# Altium PCB SPG300 Rev05.PcbDoc (part 4 of 8) (continued)
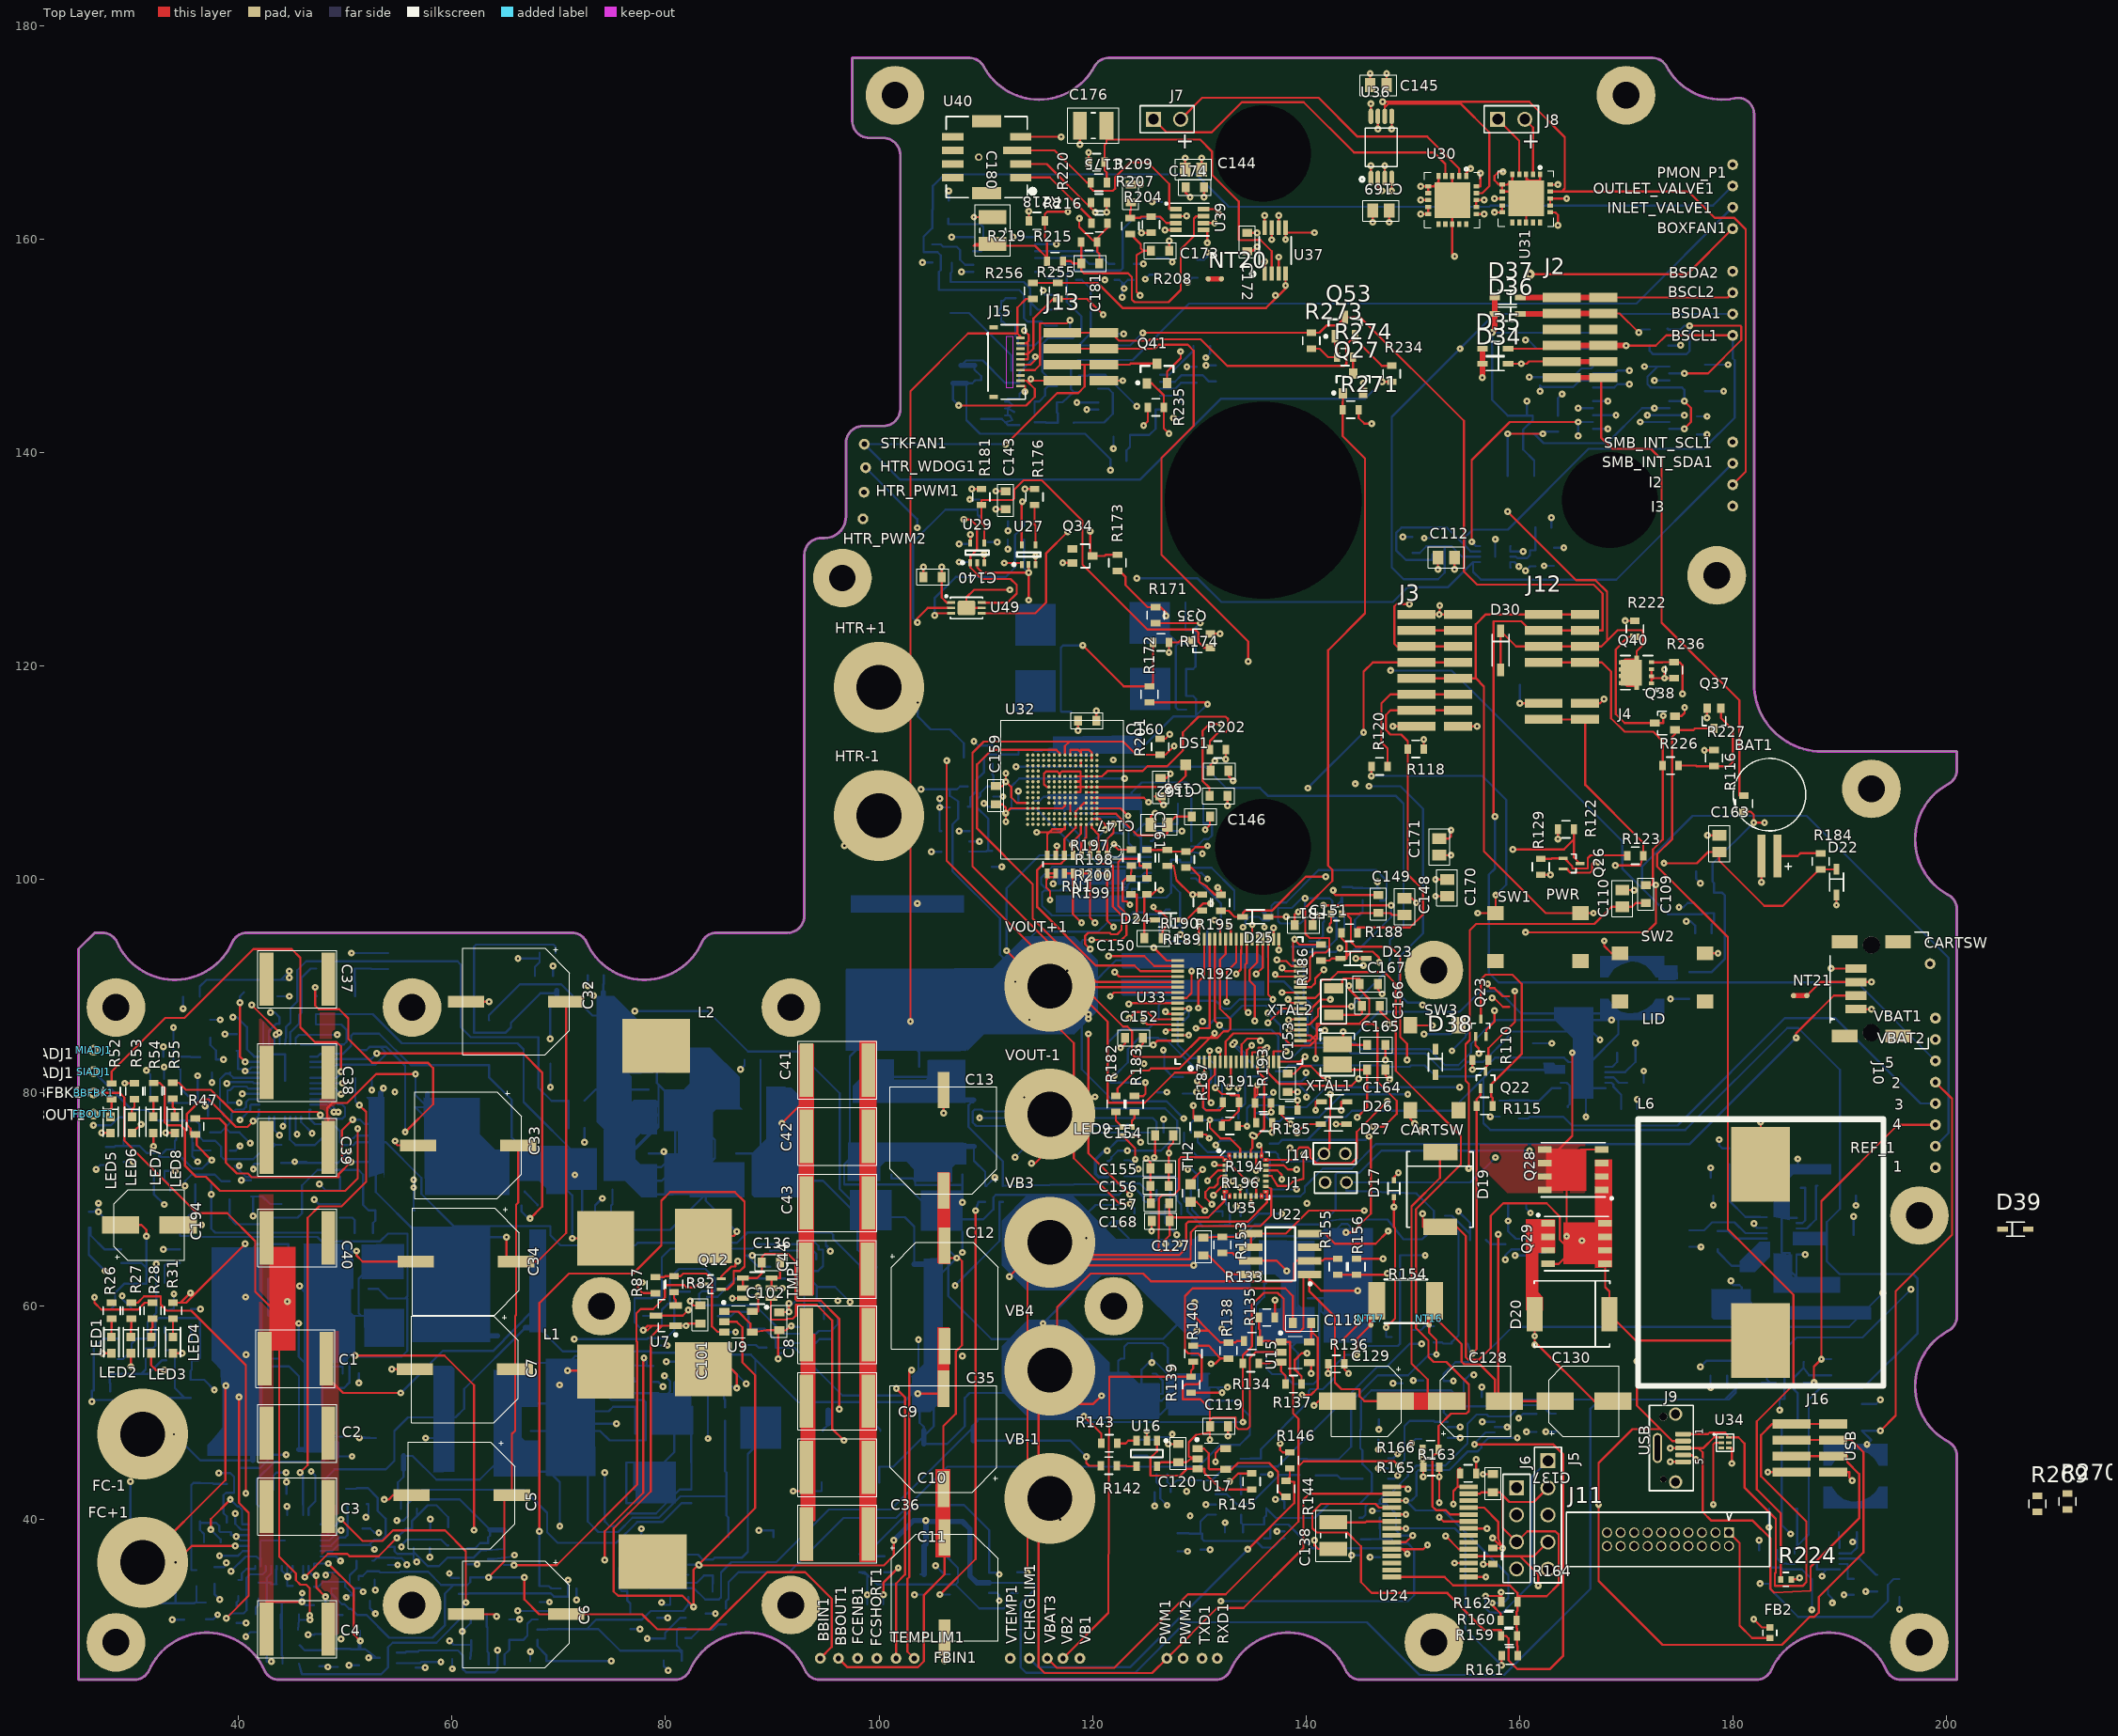
[diagram p0: Top Layer view]
## Nets (pads, with @x,y where several pads share a name; then routed paths per layer and width w, separated by ;. In a path a pad name is that pad's centre, name@x,y a point inside that pad or via, vN(x,y) a via of type N, cw(c..) or ccw(c..) an arc to the next point about the centre after c; other vN are vias at no path point) (continued)
  Layer 1 w0.203: v1(151.857,86.325) v1(160.579,95.047) ; v1(172.802,99.492) 175.971,99.492 183.159,92.304 190.729,92.304 190.932,92.1 CARTSW.1@198.5,92.1
CBSCL: R160.1 TMP1.1 U23.10 U24.17 | length 120.2
  Top Layer w0.203: TMP1.1@89.951,60.75 89.865,60.75 89.865,58.75 91.338,58.75 91.415,58.826 91.923,58.826 92.227,59.131 92.227,60.132 94.155,60.132 95.606,58.681 95.606,48.539 v1(96.723,47.422) ; U24.17@148.051,41.781 149.375,41.781 v1(149.377,41.783) ; v1(157.48,32.182) 157.48,31.962 158.251,31.191 R160.1@158.251,30.551
  Layer 1 w0.203: v1(96.723,47.422) 98.298,48.997 132.207,48.997 132.994,49.784 139.741,49.784 139.868,49.656 154.687,49.656 156.667,47.676 v1(159.817,47.676)
  Bottom Layer w0.203: v1(157.48,32.182) 158.496,32.182 158.979,32.664 158.979,34.791 152.903,40.867 150.294,40.867 v1(149.377,41.783) 149.911,41.783 150.37,42.242 150.37,44.452 150.571,44.653 153.444,44.653 155.193,46.402 156.105,46.402 156.439,46.736 156.439,46.989 157.124,47.675 U23.10@157.7,47.675 v1(159.817,47.676) v1(159.817,47.676)
CBSDA: R159.1 TMP1.6 U23.9 U24.18 | length 162.4
  Top Layer w0.203: v1(86.258,60.75) TMP1.6@87.251,60.75 ; U24.18@148.051,41.131 146.863,41.131 146.515,41.478 141.427,41.478 140.614,40.665 140.614,39.192 141.021,38.786 143.866,38.786 145.161,37.49 145.161,34.138 146.177,33.122 153.264,33.122 156.743,29.642 158.301,29.642 R159.1@158.301,29.101 158.758,29.101 159.004,28.854 159.004,26.822 159.842,25.984 162.865,25.984 164.098,27.218 164.098,46.138 163.195,47.041 v1(155.804,47.041)
  Layer 1 w0.203: v1(86.258,60.75) 89.059,63.551 97.18,63.551 100.914,67.285 122.707,67.285 123.576,68.153 128.317,68.153 128.951,67.519 137.979,67.519 v1(140.106,69.647)
  Layer 2 w0.203: v1(140.106,69.647) 143.343,69.647 150.195,62.794 150.195,55.347 155.804,49.738 v1(155.804,47.041)
  Bottom Layer w0.203: v1(155.804,47.041) 155.804,47.142 156.836,48.175 U23.9@157.7,48.175
CHRGEN: J2.6 R116.1 | length 51
  Top Layer w0.203: J2.6@167.665,147.05 167.665,141.427 168.732,140.36 172.314,140.36 173.33,139.344 173.33,124.079 180.619,116.789 180.619,107.855 R116.1@181.051,107.855
  Top Layer w0.5: J2.6@163.977,147.05 167.665,147.05 J2.6@167.877,147.05
D0_STKFAN_ENB: Q27.1 R271.1 U33.28 | length 62.8
  Top Layer w0.203: U33.28@139.477,90.4 140.159,90.4 140.386,90.627 140.386,92.659 140.868,93.142 141.859,93.142 142.189,93.472 142.189,94.513 140.36,94.513 139.954,94.92 139.954,97.338 142.489,99.873 142.489,100.888 142.077,101.3 142.077,121.478 145.542,124.943 145.542,139.47 143.45,141.562 R271.1@143.45,144.025 143.45,144.755 143.475,144.78 Q27.1@143.475,145.55
DGND: BAT1.MINUS C65.2 C67.2 C68.2 C70.2 C71.2 C72.2 C73.2 C74.2 C75.2 C78.2 C79.2 C80.2 C81.2 C82.2 C83.2 C84.2 C85.2 C86.2 C110.2 C111.2 C112.2 C116.2 C117.2 C118.2 C119.2 C120.2 C121.2 C122.2 C123.2 C124.2 C125.2 C126.2 C129.2 C131.2 C132.2 C133.2 C134.2 C135.2 C136.2 C137.2 C138.2 C139.2 C140.2 C141.2 C142.2 C143.2 C144.2 C145.2 C146.2 C147.2 C148.2 C149.2 C150.2 C151.2 C152.2 C153.2 C154.2 C155.2 C156.2 C157.2 C158.2 C159.2 C160.2 C161.2 C162.2 C163.2 C164.2 C165.2 C166.2 C167.2 C168.2 C169.2 C170.2 C171.2 C172.2 C173.2 C174.2 C175.2 C176.2 C177.2 C178.2 C179.2 C180.2 C182.2 C183.2 C184.2 C185.2 C186.2 C187.2 C188.2 C189.2 C191.2 C193.2 D23.A D24.A D25.A D26.A D27.A D34.A D35.A D38.A D39.A J3.8 J5.3 J6.1 J9.4 J9.5 J9.6 J9.7 J10.3 J11.3 J11.5 J11.15 J11.17 J11.19 J13.4 J15.2 J15.5 J16.4 LED9.CL LED9.CS NT20.2 NT21.1 Q11.2 Q21.2 Q23.2 Q25.2 Q26.2 Q27.2 Q34.2 Q35.2 Q37.2 Q38.2 Q40.S1 Q40.S2 Q40.S3 Q41.2 Q46.2 R60.1 R63.1 R64.1 R65.1 R66.1 R69.1 R70.1 R71.1 R77.1 R78.1 R114.1 R121.1 R129.1 R132.1 R137.1 R138.1 R140.1 R145.1 R146.1 R147.1 R148.1 R155.1 R156.1 R158.1 R163.1 R164.1 R165.1 R166.1 R175.1 R176.1 R177.1 R178.1 R180.1 R181.1 R185.1 R199.1 R200.1 R208.2 R209.1 R210.2 R211.2 R212.2 R218.1 R220.1 R227.1 R228.2 R229.2 R230.2 R235.2 R236.1 R245.2 R246.2 R247.2 R252.2 R254.1 R262.1 R271.2 R272.1 TH2.1 TMP1.2 TMP1.3 U3.1 U3.8 U3.9 U3.25 U4.5 U4.11 U5.5 U5.11 U13.1 U13.5 U13.7 U13.8 U13.10 U14.1 U14.2 U14.11 U15.5 U16.2 U17.5 U18.2 U19.2 U20.2 U21.2 U22.4 U23.1 U23.3 U24.3 U24.8 U24.19 U25.2 U26.5 U27.3 U29.3 U30.1 U30.3 U30.5 U30.6 U30.7 U30.9 U30.10 U30.13 U30.16 U30.17 U30.18 U30.21 U31.1 U31.3 U31.5 U31.6 U31.7 U31.9 U31.10 U31.13 U31.17 U31.18 U31.21 U32.C4 U32.D3 U32.D12 U32.D13 U32.D14 U32.E1 U32.E2 U32.E7 U32.F6 U32.G5 U32.H6 U32.H10 U32.J5 U32.J9 U32.K8 U32.N2 U32.N5 U32.P2 U32.P4 U32.P6 U33.12 U33.18 U33.31 U33.47 U33.63 U34.4 U35.6 U36.2 U36.3 U36.4 U36.7 U37.3 U37.7 U38.8 U39.4 U41.8 U42.2 U43.5 U44.9 U45.2 U47.5 U49.5 U49.7 VR1.2 VR2.3 | length 541.4
  Top Layer w0.203: C136.2@90.725,64.101 90.725,62.65 TMP1.3@89.951,62.65 89.941,62.65 89.941,61.7 TMP1.2@89.951,61.7 v1(90.953,61.7) ; C140.2@104.175,128.351 v1(104.175,129.278) ; v1(108.697,136.6) R181.1@109.599,136.6 ; v1(108.898,162.076) C180.2@110.65,162.076 ; U49.5@109.625,125.45 U49.7@108.2,125.45 108.2,126.437 108.915,127.152 v1(112.268,127.152) ; U29.3@109.86,129.699 v1(109.86,130.476) ; v1(110.948,136.4) C143.2@111.875,136.4 ; C159.2@110.96,107.04 111.557,107.04 111.887,106.709 v1(111.887,106.223) ; v1(111.887,105.414) v1(111.887,106.223) ; J15.5@113.25,148.75 113.97,148.75 113.97,150.25 113.792,150.25 ; J15.2@113.25,150.25 113.792,150.25 ; v1(113.609,151.446) 114.015,151.04 114.015,150.473 113.792,150.25 ; v1(113.672,136.6) R176.1@114.574,136.6 ; R218.1@114.044,161.724 v1(114.044,162.626) ; v1(114.222,146.914) 114.222,146.75 J13.4@117.175,146.75 ; U27.3@114.671,129.524 v1(114.671,130.301) ; U32.H10@115.924,108.665 115.718,108.665 115.468,108.915 115.468,109.931 115.672,110.134 116.721,110.134 116.924,109.931 ; U32.K8@116.924,109.665 116.924,109.931 ; v1(117.222,129.675) Q34.2@118.124,129.675 ; U32.E7@117.424,107.165 117.424,106.883 117.206,106.665 U32.D12@114.924,106.665 U32.D13@114.424,106.665 U32.D14@113.924,106.665 112.329,106.665 v1(111.887,106.223) ; U32.P6@117.924,111.665 117.924,112.141 118.669,112.141 118.924,111.885 ; U32.G5@118.424,108.165 118.438,108.179 118.897,108.179 118.897,109.165 U32.J5@118.424,109.165 118.454,109.195 118.897,109.195 118.897,110.134 117.128,110.134 116.924,109.931 ; v1(118.825,168.898) C176.2@118.825,170.65 ; U32.P4@118.924,111.665 118.924,111.885 ; R209.1@119.649,167.229 v1(119.649,168.131) ; U32.E2@119.924,107.165 U32.E1@120.424,107.165 ; U32.N2@119.924,111.165 U32.P2@119.924,111.665 119.924,111.901 119.685,112.141 118.924,112.141 118.924,111.885 ; C160.2@120.36,114.884 v1(120.36,115.811) ; J13.4@121.075,146.75 v1(122.852,146.75) ; v1(121.352,162.542) R220.1@121.352,163.444 ; v1(122.026,103.32) 122.026,103.226 122.451,102.8 R200.1@123.654,102.8 ; v1(122.644,84.222) 123.05,84.628 C152.2@123.05,85.149 ; LED9.CL@122.8,76.001 124.003,74.798 v1(124.003,73.76) ; C175.2@123.603,165.15 v1(124.53,165.15) ; LED9.CS@123.7,76.001 124.109,76.001 124.52,75.59 v1(124.52,75.386) ; v1(124.598,160.616) R208.2@125.5,160.616 ; v1(124.794,142.535) 125.201,142.941 R235.2@125.201,144.25 ; C150.2@124.875,94.5 124.875,95.91 ; v1(125.041,73.853) 125.447,73.446 C155.2@125.447,72.925 125.447,70.673 125.495,70.625 C157.2@125.495,69.748 ; U16.2@125.1,47.401 v1(125.1,48.303) ; C156.2@125.447,71.275 125.447,69.748 C157.2@125.495,69.748 ; C147.2@125.476,105.123 125.476,105.92 125.781,106.225 v1(125.882,106.225) ; C157.2@125.495,69.645 C157.2@125.495,69.748 ; v1(125.55,67.057) C168.2@125.55,67.984 ; v1(125.781,73.942) 125.873,74.034 C154.2@125.873,76.001 ; D24.A@125.851,96.2 125.165,96.2 124.875,95.91 ; C161.2@126.386,107.8 125.865,107.8 v1(126.678,106.987) ; v1(126.408,99.006) 126.002,99.006 125.595,98.599 R199.1@125.1,98.599 124.875,98.599 124.875,95.91 ; v1(126.813,160.874) U39.4@127.815,160.874 ; Q41.2@127,146.55 127,147.605 128.27,148.875 v1(128.27,149.483) ; v1(127.123,47.075) C120.2@128.05,47.075 ; C173.2@127.201,158.925 v1(127.201,159.852) ; U33.63@127.977,85.4 v1(129.029,85.4) ; C144.2@128.691,166.524 v1(128.691,167.626) ; C174.2@128.75,164.878 128.75,164.357 v1(129.157,163.951) ; TH2.1@129.2,69.775 129.746,69.775 v1(130.559,68.962) ; R140.1@129.451,56.3 130.912,56.3 131.974,55.1 ; v1(129.917,87.949) 129.917,90.41 130.477,90.97 U33.47@130.477,94.4 ; v1(130.572,104.655) 131.016,105.098 C146.2@131.016,105.901 ; C162.2@130.965,107.841 130.965,108.603 130.336,109.233 130.336,113.944 130.965,114.574 v1(132.08,114.574) ; Q35.2@131.05,123.025 v1(131.952,123.025) ; C158.2@131.066,110.189 131.066,110.744 131.439,111.116 v1(131.473,111.116) ; v1(131.121,54.61) 131.484,54.61 131.974,55.1 ; v1(131.341,70.412) 132.154,71.225 U35.6@132.449,71.225 ; v1(131.535,45.431) 131.535,46.243 131.942,46.65 U17.5@132.487,46.65 ; v1(132.711,47.823) C119.2@132.711,48.75 ; R138.1@132.749,55.1 131.974,55.1 ; v1(132.842,43.58) 132.897,43.58 133.647,44.33 R145.1@134.927,44.33 ; C172.2@134.501,158.901 135.022,158.901 v1(135.428,159.308) ; v1(134.997,76.042) 135.477,76.042 136.107,76.672 136.107,81.383 135.477,82.013 U33.12@135.477,82.9 ; D25.A@136.473,96.5 138.131,96.5 v1(138.151,96.52) ; v1(136.8,159.971) U37.7@136.8,161.098 ; v1(137.292,92.46) 137.292,92.349 138.176,92.349 138.625,91.9 U33.31@139.477,91.9 ; U37.3@137.45,156.798 v1(137.45,158.332) ; v1(137.598,47.113) 137.598,46.533 137.831,46.3 R146.1@138.5,46.3 ; C153.2@138.301,80.089 v1(139.228,80.089) ; R185.1@139.224,78.399 v1(139.224,79.301) ; U33.18@139.477,85.4 140.456,85.4 140.919,84.938 v1(140.919,83.21) ; R137.1@139.6,52.699 139.6,53.437 138.97,54.067 138.97,54.968 139.6,55.597 v1(140.12,55.597) ; v1(139.64,51.703) 140.49,51.703 141.12,52.333 141.12,57.044 140.49,57.674 ; U15.5@140.314,56.65 140.513,56.65 140.513,57.353 140.49,57.376 140.49,57.674 ; U22.4@140.35,66.804 141.791,66.804 142.728,65.867 146.543,65.867 v1(147.708,67.033) ; C118.2@140.49,58.436 140.49,57.674 ; C151.2@140.65,95.72 140.65,96.241 v1(141.056,96.648) ; v1(140.777,50.693) 141.183,51.099 C129.2@142.979,51.099 ; v1(140.822,38.064) 140.822,37.592 141.163,37.251 C138.2@142.574,37.251 ; v1(142.556,98.97) 142.556,98.755 142.762,98.55 C149.2@146.8,98.55 ; v1(142.848,77.072) D27.A@143.8,77.072 ; R155.1@143.001,62.95 143.866,62.95 R156.1@144.75,62.95 147.504,62.95 v1(147.648,63.094) ; v1(143.329,78.361) 143.329,79.174 D26.A@143.875,79.174 ; v1(144.697,92.6) D23.A@145.649,92.6 ; R271.2@144.95,144.025 144.95,143.258 145.491,142.717 v1(146.169,142.717) ; Q27.2@145.375,145.6 v1(145.375,146.537) ; C167.2@146.75,90.201 146.75,89.68 v1(147.156,89.274) ; U36.2@146.749,165.725 146.749,164.954 v1(147.156,164.548) ; v1(146.749,170.348) U36.7@146.749,171.525 ; C166.2@146.95,88.151 146.95,87.63 147.763,86.817 v1(147.763,86.411) ; U36.3@147.4,165.725 v1(147.4,166.902) ; C164.2@147.45,82.19 147.45,81.669 v1(147.856,81.263) ; v1(147.449,83.072) C165.2@147.449,84.5 ; C145.2@147.574,174.45 v1(147.574,175.552) ; v1(147.825,161.597) C169.2@147.825,162.699 ; v1(148.049,164.548) U36.4@148.049,165.725 ; U24.19@148.051,40.48 v1(149.378,40.48) ; v1(148.148,114.35) J3.8@150.375,114.35 ; C148.2@149.239,98.225 149.935,98.225 v1(150.341,97.818) ; v1(150.75,162.375) U30.10@151.46,162.375 ; v1(150.75,164.975) U30.6@151.46,164.975 ; v1(150.94,45.692) R166.1@150.94,46.594 ; v1(151,44.014) R165.1@151,44.916 ; U30.10@151.477,162.375 U30.10@151.46,162.375 ; U30.9@151.477,163.025 151.46,163.025 U30.10@151.46,162.375 ; U30.7@151.477,164.325 151.46,164.325 U30.6@151.46,164.975 ; v1(152.148,98.436) C170.2@153.25,98.436 ; v1(152.38,129.073) C112.2@152.38,130.175 ; U30.5@152.427,165.925 152.427,165.405 151.998,164.975 U30.6@151.477,164.975 U30.6@151.46,164.975 ; C171.2@152.5,103.822 153.385,103.822 153.602,104.038 v1(153.602,104.635) ; U30.3@153.727,165.925 U30.21@153.727,163.675 U30.13@153.727,161.425 153.727,158.616 v1(153.949,158.394) ; v1(153.924,35.931) U24.3@155.251,35.931 ; J3.8@154.275,114.35 v1(156.052,114.35) ; U30.1@155.027,165.925 155.027,166.218 155.434,166.624 v1(155.448,166.624) ; U24.8@155.251,39.181 v1(156.985,39.181) ; R163.1@155.956,44.33 v1(155.956,45.639) ; U30.16@155.977,162.375 v1(156.704,162.375) ; U30.17@155.977,163.025 155.956,163.025 155.956,163.675 U30.18@155.977,163.675 v1(156.704,163.675) ; D35.A@156.549,149.75 D35.A@156.552,149.75 ; v1(156.604,44.259) C137.2@157.531,44.259 ; v1(156.629,35.831) R164.1@157.531,35.831 ; Q23.2@156.9,85.299 156.9,85.91 157.67,86.68 v1(157.67,87.715) ; v1(157.673,162.527) U31.10@158.394,162.527 ; U31.10@158.4,162.527 U31.10@158.394,162.527 ; U31.9@158.4,163.177 158.394,163.177 U31.10@158.394,162.527 ; v1(158.485,166.346) 158.09,166.346 157.673,165.93 157.673,165.544 158.09,165.127 U31.6@158.394,165.127 ; U31.5@159.35,166.077 159.35,165.575 158.902,165.127 U31.6@158.4,165.127 U31.6@158.394,165.127 ; U31.13@160.65,161.577 U31.21@160.65,163.827 U31.21@160.65,164.998 ; U31.3@160.65,166.077 160.65,165.766 ; U31.1@161.95,166.077 161.95,165.481 160.934,165.481 160.65,165.766 ; R129.1@162.019,100.439 v1(162.921,100.439) ; U31.17@162.9,163.177 162.89,163.177 162.89,163.827 U31.18@162.9,163.827 v1(164.439,163.827) ; Q26.2@164.099,100.989 164.563,100.989 164.563,100.86 164.795,100.628 166.624,100.628 166.836,100.839 166.836,101.463 166.972,101.6 v1(167.379,101.6) ; C110.2@169.65,99 v1(170.752,99) ; Q40.S1@172.4,118.405 172.39,118.405 172.39,118.669 ; Q40.S2@172.4,119.055 Q40.S2@172.39,119.055 ; Q40.S3@172.4,119.705 172.39,119.705 Q40.S2@172.39,119.055 ; v1(173.598,119.682) 173.598,119.075 173.803,118.87 R236.1@174.5,118.87 ; v1(173.609,118.872) 172.593,118.872 172.39,118.669 ; v1(174.149,45.413) J9.5@175.351,45.413 ; Q38.2@174.59,115.312 175.183,115.312 175.492,115.621 v1(175.492,116.124) ; J9.4@175.351,46.063 176.146,46.063 v1(176.553,45.656) ; v1(177.348,112.122) R227.1@178.25,112.122 ; v1(177.6,115.148) Q37.2@177.6,116.05 ; v1(177.647,104.124) C163.2@178.749,104.124 ; U34.4@179.637,46.713 179.934,46.713 v1(179.934,45.263) ; v1(182.699,99.748) BAT1.MINUS@182.699,102.2 ; v1(183.297,44.463) J16.4@185.524,44.463 ; NT21.1@186.95,89.115 188.22,90.385 J10.3@191.55,90.385 v1(193.002,90.385) ; J16.4@189.424,44.463 190.925,44.463 190.925,43.926 v1(191.201,43.65) ; U31.6@158.394,165.127 158.394,164.477 U31.7@158.4,164.477 160.129,164.477 U31.21@160.65,164.998 ; U31.21@160.65,164.998 160.65,165.766 ; 172.39,118.669 Q40.S2@172.39,119.055
  Top Layer w0.5: v1(156.528,147.05) 156.552,147.074 D34.A@156.552,148.336 D35.A@156.552,149.75
  Bottom Layer w0.203: v1(26.25,51.073) 26.25,51.41 ; U47.5@28.66,56.975 27.317,56.975 26.425,56.083 R262.1@26.425,53.675 26.425,52.095 26.25,52.095 C193.2@26.25,52 26.25,51.41 ; U45.2@33.199,55.875 33.731,55.875 34.011,55.596 34.011,52.34 34.95,51.4 ; C191.2@35.493,51.4 34.95,51.4 ; R246.2@98.894,32.051 v1(98.894,32.953) 98.894,34.86 ; v1(104.067,157.826) C179.2@104.994,157.826 ; v1(105.689,106.756) 105.689,104.524 U26.5@105.836,104.524 ; v1(105.697,107.563) 105.697,107.086 106.033,106.75 C139.2@106.624,106.75 ; C185.2@106.07,37.773 106.07,36.805 107.408,35.466 107.408,34.138 107.195,33.925 107.163,33.925 ; v1(107.497,129.751) C142.2@108.424,129.751 ; v1(107.743,156.95) U38.8@108.825,156.95 ; v1(108.902,112.957) 109.308,112.551 C141.2@110.642,112.551 ; R180.1@110.175,131.617 v1(111.077,131.617) ; R175.1@110.601,101.175 v1(111.503,101.175) ; U25.2@110.726,107.774 v1(111.628,107.774) ; v1(112.075,130.948) R177.1@112.075,131.85 ; v1(112.094,132.673) R178.1@112.094,133.575 ; U43.5@112.963,33.125 112.399,33.125 111.907,32.634 111.907,31.902 111.688,31.683 109.405,31.683 107.163,33.925 ; v1(115.397,155.209) 115.397,155.026 115.621,154.803 C177.2@116.499,154.803 ; v1(119.469,144.05) U41.8@120.551,144.05 ; R212.2@120.249,156.202 121.141,156.202 v1(121.158,156.185) ; v1(121.375,74.574) 122.325,75.524 R245.2@123.41,75.524 ; v1(121.971,140.399) C182.2@121.971,141.501 ; R210.2@122.072,156.202 122.53,156.202 122.795,155.936 v1(122.795,154.576) ; v1(122.969,155.389) 122.969,155.854 123.317,156.202 R211.2@123.871,156.202 ; R252.2@123,73.673 123.496,73.673 v1(124.308,72.861) ; v1(124.948,156.271) 125.354,156.677 C178.2@126.05,156.677 ; v1(125.824,41.267) R121.1@125.824,42.575 ; Q25.2@126.021,44.224 126.021,43.511 126.37,43.163 126.37,41.981 v1(127,41.351) ; v1(126.652,84.012) 126.734,83.93 126.734,82.305 127.553,81.485 C188.2@128.48,81.485 ; v1(127.599,143.25) 127.599,142.843 128.006,143.25 R228.2@128.501,143.25 ; C124.2@127.999,37.036 v1(128.926,37.036) ; v1(128.849,148.049) R230.2@129.751,148.049 ; v1(128.923,155.996) 129.329,156.402 C184.2@129.85,156.402 ; v1(128.94,72.826) 129.346,72.826 129.859,72.313 U44.9@129.859,70.873 ; R148.1@130.126,37.18 v1(131.028,37.18) ; v1(130.618,148.912) 131.025,149.319 C183.2@131.025,150.014 ; v1(130.646,41.424) U18.2@131.548,41.424 ; v1(130.649,148.173) R229.2@131.551,148.173 ; v1(131.574,75.118) 131.98,75.524 C187.2@133.326,75.524 ; C121.2@132.424,38.79 v1(132.424,39.717) ; v1(133.495,69.375) 133.902,68.969 C189.2@133.902,68.448 ; R247.2@136.599,70.95 v1(139.127,70.95) ; v1(137.151,41.889) 137.77,41.889 138.001,41.658 C125.2@138.001,41.049 ; Q46.2@137.201,81.031 139.053,81.031 140.074,80.01 v1(140.074,79.604) ; v1(137.3,38.9) U20.2@138.002,38.9 ; R254.1@139.101,81.07 139.597,81.07 140.003,81.476 v1(140.003,81.883) ; R77.1@139.8,92 139.8,88.975 140.57,88.205 140.57,86.255 140.977,85.849 v1(141.789,85.849) ; Q11.2@140.3,93.2 142.8,93.2 v1(143.174,93.574) ; v1(144.276,36.655) R147.1@145.178,36.655 ; R78.1@144.5,91.95 v1(145.402,91.95) ; v1(146.023,36.475) C123.2@146.95,36.475 ; v1(146.226,40.824) U21.2@146.928,40.824 ; v1(146.799,44.795) U19.2@147.701,44.795 ; v1(146.8,46.567) C126.2@146.8,47.494 ; v1(146.857,48.446) C122.2@146.857,49.373 ; v1(148.172,52.775) R158.1@149.074,52.775 ; v1(149.872,47.153) 150.278,47.56 C134.2@150.799,47.56 ; v1(150.073,53.049) C135.2@151,53.049 ; U23.1@153.3,47.675 v1(154.477,47.675) ; U23.3@153.3,48.675 v1(154.477,48.675) ; C131.2@154.8,51.501 154.8,53.014 155.346,53.56 v1(155.753,53.56) ; v1(157.272,77.768) R69.1@158.174,77.768 ; U14.11@157.752,130.249 v1(157.752,131.891) ; v1(158.698,64.364) 158.698,64.77 159.247,65.319 Q21.2@160.301,65.319 ; U14.1@159.164,131.249 159.156,131.249 159.156,130.749 U14.2@159.164,130.749 v1(160.36,130.749) ; v1(159.602,64.77) 160.73,64.77 160.96,65 R114.1@162.5,65 ; C111.2@160.646,69.676 160.646,69.156 v1(161.052,68.749) ; v1(160.672,48.225) C132.2@161.599,48.225 ; v1(160.934,147.074) 165.003,147.074 165.833,147.904 166.739,147.904 U13.10@166.909,148.074 ; C81.2@161.3,84.649 v1(163.052,84.649) ; v1(161.95,145.75) 161.95,146.304 162.109,146.144 165.042,146.144 165.672,146.774 U13.8@166.909,146.774 ; v1(162.497,48.24) C133.2@163.424,48.24 ; R132.1@163,133 v1(163,133.902) ; U5.11@165.976,81.45 165.976,80.45 ; v1(166.25,77.737) C82.2@166.25,78.664 166.25,80.168 165.976,80.442 165.976,80.45 ; U13.1@166.909,142.224 v1(168.311,142.224) ; U13.5@166.909,144.824 v1(168.311,144.824) ; U13.7@166.909,146.124 168.917,146.124 169.212,146.419 v1(170.307,146.419) ; U5.5@168.081,80.45 165.976,80.45 ; R70.1@171.05,78.478 v1(171.05,79.38) ; C83.2@171.66,80.95 v1(171.66,82.052) ; v1(174.176,88.806) C78.2@175.928,88.806 ; v1(174.967,97.394) 175.374,97.394 175.78,97.8 VR2.3@176.401,97.8 ; v1(175.663,96.077) 176.069,96.077 176.476,95.671 C80.2@176.476,94.975 ; C72.2@175.928,65.568 v1(177.03,65.568) ; C79.2@176.566,100.75 176.566,100.054 v1(176.972,99.648) ; C117.2@176.676,143.4 v1(177.603,143.4) ; v1(176.982,54.312) 177.574,54.904 179.783,54.904 180.413,54.274 C84.2@181.35,54.274 ; C116.2@177.399,148.25 v1(179.557,148.25) ; v1(177.925,52.37) C85.2@177.925,53.472 ; v1(178.746,75.613) 178.746,75.073 179.019,74.8 R63.1@179.648,74.8 ; C75.2@182.475,37.146 v1(182.475,38.074) ; v1(183.408,39.283) C73.2@183.408,41.035 ; VR1.2@184.034,53.8 184.861,53.8 184.861,51.308 184.4,51.308 C86.2@184.4,51.201 v1(184.4,50.274) ; R71.1@184.59,49.175 184.59,39.486 v1(185.42,38.657) ; C68.2@185.05,61.875 C68.2@185.979,61.875 ; U3.1@185.99,68.293 184.59,68.293 U3.25@184.59,66.593 184.59,64.999 185.34,64.999 U3.9@185.34,64.193 185.34,63.395 185.979,62.756 ; v1(186.106,73.812) 186.106,72.8 C67.2@186.401,72.8 187.762,72.8 187.784,72.822 187.808,72.798 R64.1@187.947,72.798 ; v1(186.792,64.843) U3.8@185.99,64.843 185.979,64.843 185.979,62.756 ; U4.11@187.901,36.338 187.901,35.338 188.829,35.338 ; v1(188.384,34.696) 188.384,34.892 188.829,35.338 ; C70.2@188.736,61.95 187.427,61.95 ; R65.1@188.926,33.5 188.926,33.004 189.332,32.598 v1(189.332,32.192) ; U4.5@190.006,35.338 188.829,35.338 ; v1(190.424,32.945) R66.1@191.326,32.945 ; C65.2@191.321,66.668 v1(191.321,68.42) ; v1(191.55,69.449) R60.1@191.55,70.351 ; C74.2@192.1,50.838 193.445,50.838 v1(193.852,51.244) ; v1(192.46,33.276) C71.2@193.562,33.276 ; 26.25,51.41 26.453,51.206 28.457,51.206 28.651,51.4 34.95,51.4 ; 98.894,34.86 99.829,33.925 U42.2@106.626,33.925 107.163,33.925 ; 98.894,34.86 98.679,35.075 C186.2@98.173,35.075 98.894,34.86 ; C68.2@185.979,61.875 187.352,61.875 187.427,61.95 ; C68.2@185.979,61.875 185.979,62.756 ; 185.979,62.756 186.785,61.95 187.427,61.95
  Bottom Layer w0.305: v1(121.375,74.574) 121.309,74.508 121.043,74.508 120.294,73.76 120.294,72.427 120.599,72.123 R272.1@121.437,72.123
DI_CBON: R161.1 U24.21 U33.36 | length 97.7
  Top Layer w0.203: v1(135.357,91.135) 135.977,91.755 U33.36@135.977,94.4 ; U24.21@148.051,39.181 v1@149.366,39.181 ; v1(149.377,39.181) v1@149.366,39.181 ; v1(149.377,39.192) v1@149.366,39.181 ; v1(158.35,26.34) R161.1@158.35,27.251
  Layer 2 w0.203: v1(135.357,91.135) 136.22,90.272 139.116,90.272 139.979,89.408 139.979,87.782 141.142,86.62 142.538,86.598 142.538,85.772 144.304,84.006 144.304,80.874 154.991,70.187 154.991,51.968 157.277,49.682 157.277,43.688 154.864,41.275 154.864,38.887 152.852,36.876 150.678,36.876 149.377,38.176 v1(149.377,39.181)
  Bottom Layer w0.203: v1(149.377,39.192) 153.949,39.192 154.94,38.202 154.94,29.75 v1(158.35,26.34)
DI_CHTRSW_SNS: Q38.3 R222.1 U33.2 | length 76.5
  Top Layer w0.203: v1(130.477,81.737) U33.2@130.477,82.9 ; R222.1@170.834,122.75 170.222,122.75 169.037,121.564 169.037,115.5 169.875,114.662 Q38.3@172.69,114.662 173.482,114.662 v1(173.482,115.341)
  Layer 1 w0.203: v1(130.477,81.737) 130.327,81.887 130.327,84.36 130.861,84.894 131.885,84.894 133.961,86.97 133.961,88.021 134.518,88.578 135.22,88.578 135.656,88.143 137.051,88.143 137.585,87.609 138.948,87.609 139.528,87.03 144.683,87.03 145.016,87.363 145.016,88.151 148.712,91.846 148.712,92.731 150.536,94.555 152.695,94.555 v1(173.482,115.341)
DI_DC1_PGOOD: R31.2 U1.28 U35.10 | length 106.9
  Top Layer w0.203: R31.2@33.849,60.325 34.551,60.325 ; v1(35.478,61.251) 34.551,60.325 ; v1(40.615,65.862) 35.077,60.325 34.551,60.325 ; v1(133.824,71.12) 133.849,71.095 U35.10@133.849,70.325
  Layer 1 w0.203: v1(40.615,65.862) 43.713,68.961 75.159,68.961 77.013,70.815 122.875,70.815 123.546,71.485 124.663,71.485 125.107,71.042 133.746,71.042 v1(133.824,71.12)
DI_DISPSW_SNS: J3.7 R118.1 R188.1 | length 34.8
  Top Layer w0.203: R188.1@144.85,94.999 144.85,95.504 149.758,95.504 150.978,96.723 150.978,99.035 149.549,100.463 R118.1@149.549,112.225 149.549,112.979 148.94,113.589 147.93,113.589 147.498,114.021 147.498,115.418 147.93,115.85 J3.7@150.375,115.85 J3.7@154.275,115.85
DI_LIDSW_SNS: Q26.3 R122.2 U33.24 | length 38.6
  Top Layer w0.203: v1(138.328,88.748) 138.676,88.4 U33.24@139.477,88.4 ; v1(159.41,102.819) 164.186,102.819 165.12,103.754 ; R122.2@165.12,104.701 165.12,103.754 ; Q26.3@165.699,101.489 165.12,102.068 165.12,103.754
  Layer 1 w0.203: v1(138.328,88.748) 138.958,89.377 142.921,89.377 143.55,88.748 144.617,88.748 148.305,92.436 148.305,92.92 158.205,102.819 v1(159.41,102.819)
DI_OUTFLT: J14.2 U33.33 U44.8 | length 40.4
  Top Layer w0.203: v1(137.477,93.396) U33.33@137.477,94.4 ; J14.2@141.701,74.3 142.215,74.814 142.215,77.773 142.291,77.849 v1(142.291,79.883)
  Layer 2 w0.203: v1(137.477,93.396) 136.55,93.396 134.727,91.572 134.727,89.941 136.525,88.143 136.754,88.143 137.084,87.813 137.084,83.899 138.47,82.513 140.416,82.513 140.633,82.296 140.633,81.541 v1(142.291,79.883)
  Bottom Layer w0.203: U44.8@129.859,76.272 129.859,75.387 130.794,74.453 137.16,74.453 137.389,74.224 137.389,73.965 137.77,73.584 140.985,73.584 J14.2@141.701,74.3
DI_PWRSW_SNS: Q22.3 R110.2 U33.16 | length 33.7
  Top Layer w0.203: U33.16@137.477,82.9 137.477,82.931 139.471,82.931 v1(139.929,83.388) ; Q22.3@156.86,82.024 156.86,82.423 157.11,82.673 R110.2@157.11,83.076 157.11,84.176 159.588,86.654 v1(159.588,89.535)
  Layer 1 w0.203: v1(139.929,83.388) 139.929,83.718 140.21,84 144.223,84 145.034,84.811 152.07,84.811 156.794,89.535 v1(159.588,89.535)
DI_STKFAN_RPM: J13.2 U33.27 | length 83.2
  Top Layer w0.203: J13.2@117.175,149.75 J13.2@121.075,149.75 125.857,149.75 126.221,150.114 128.93,150.114 129.489,149.555 129.489,142.519 126.467,139.497 126.467,130.428 134.595,122.3 v1(134.595,120.447) ; U33.27@139.477,89.9 140.497,89.9 140.868,90.272 140.868,90.729 v1(141.681,91.542)
  Layer 2 w0.203: v1(134.595,120.447) 142.489,112.553 142.489,99.873 140.335,97.719 140.335,95.758 141.681,94.412 v1(141.681,91.542)
DO_12V0_BOOST: Q11.1 R78.2 U33.50 | length 57
  Top Layer w0.203: v1(121.514,92.812) 124.869,92.812 125.781,91.9 U33.50@127.977,91.9 ; v1(141.63,97.587) v1(147.98,97.587)
  Layer 1 w0.203: v1(121.514,92.812) 122.885,94.183 122.885,99.974 123.901,100.99 131.265,100.99 133.477,98.778 133.477,94.894 134.341,94.031 137.312,94.031 140.868,97.587 v1(141.63,97.587)
  Bottom Layer w0.203: Q11.1@140.3,94.2 141.114,94.2 141.605,94.691 141.605,95.961 141.707,96.063 141.707,97.511 v1(141.63,97.587) ; R78.2@144.5,93.45 144.961,93.45 147.98,96.469 v1(147.98,97.587)
DO_BAT_ENB: D16.2 Q25.1 R121.2 U33.26 | length 71.3
  Top Layer w0.203: v1(137.77,89.408) 137.777,89.4 U33.26@139.477,89.4
  Layer 2 w0.203: v1(137.77,89.408) 138.684,89.408 139.09,89.002 139.09,86.405 143.073,82.422 143.073,81.243 147.317,77 147.317,71.59 148.879,70.028 148.879,65.024 150.851,63.052 v1(150.851,56.471)
  Bottom Layer w0.203: Q25.1@127.021,44.224 127.021,43.534 127.324,43.231 ; R121.2@127.324,42.575 127.324,43.231 ; v1(150.851,56.471) D16.2@149.951,56.471 149.733,56.471 147.593,54.331 146.71,54.331 137.363,44.983 132.486,44.983 131.191,43.688 127.934,43.688 127.324,43.231
DO_BOXFAN_PWM: Q40.G R236.2 U33.41 | length 71.1
  Top Layer w0.203: v1(132.588,88.519) 132.588,91.364 133.477,92.253 U33.41@133.477,94.4 ; Q40.G@172.4,120.355 173.431,120.355 173.446,120.37 R236.2@174.5,120.37 175.007,120.37 175.285,120.091 v1(175.285,117.399)
  Layer 1 w0.203: v1(132.588,88.519) 134.107,90.038 143.073,90.038 143.703,89.408 144.678,89.408 146.228,90.957 146.228,97.815 149.504,101.092 154.965,101.092 171.272,117.399 v1(175.285,117.399)